# Altium PCB PCB_power_unit.PcbDoc (part 2 of 2)
Units mm, origin at the board's own origin, x right, y up, seen from the top; angles counter-clockwise.
Board outline 73 x 61.5 mm, 4 copper layers (Top Layer, INT1, INT2, Bottom Layer), stack 1.49 mm thick; 113 components, 47 nets, 333 pads, 153 vias.
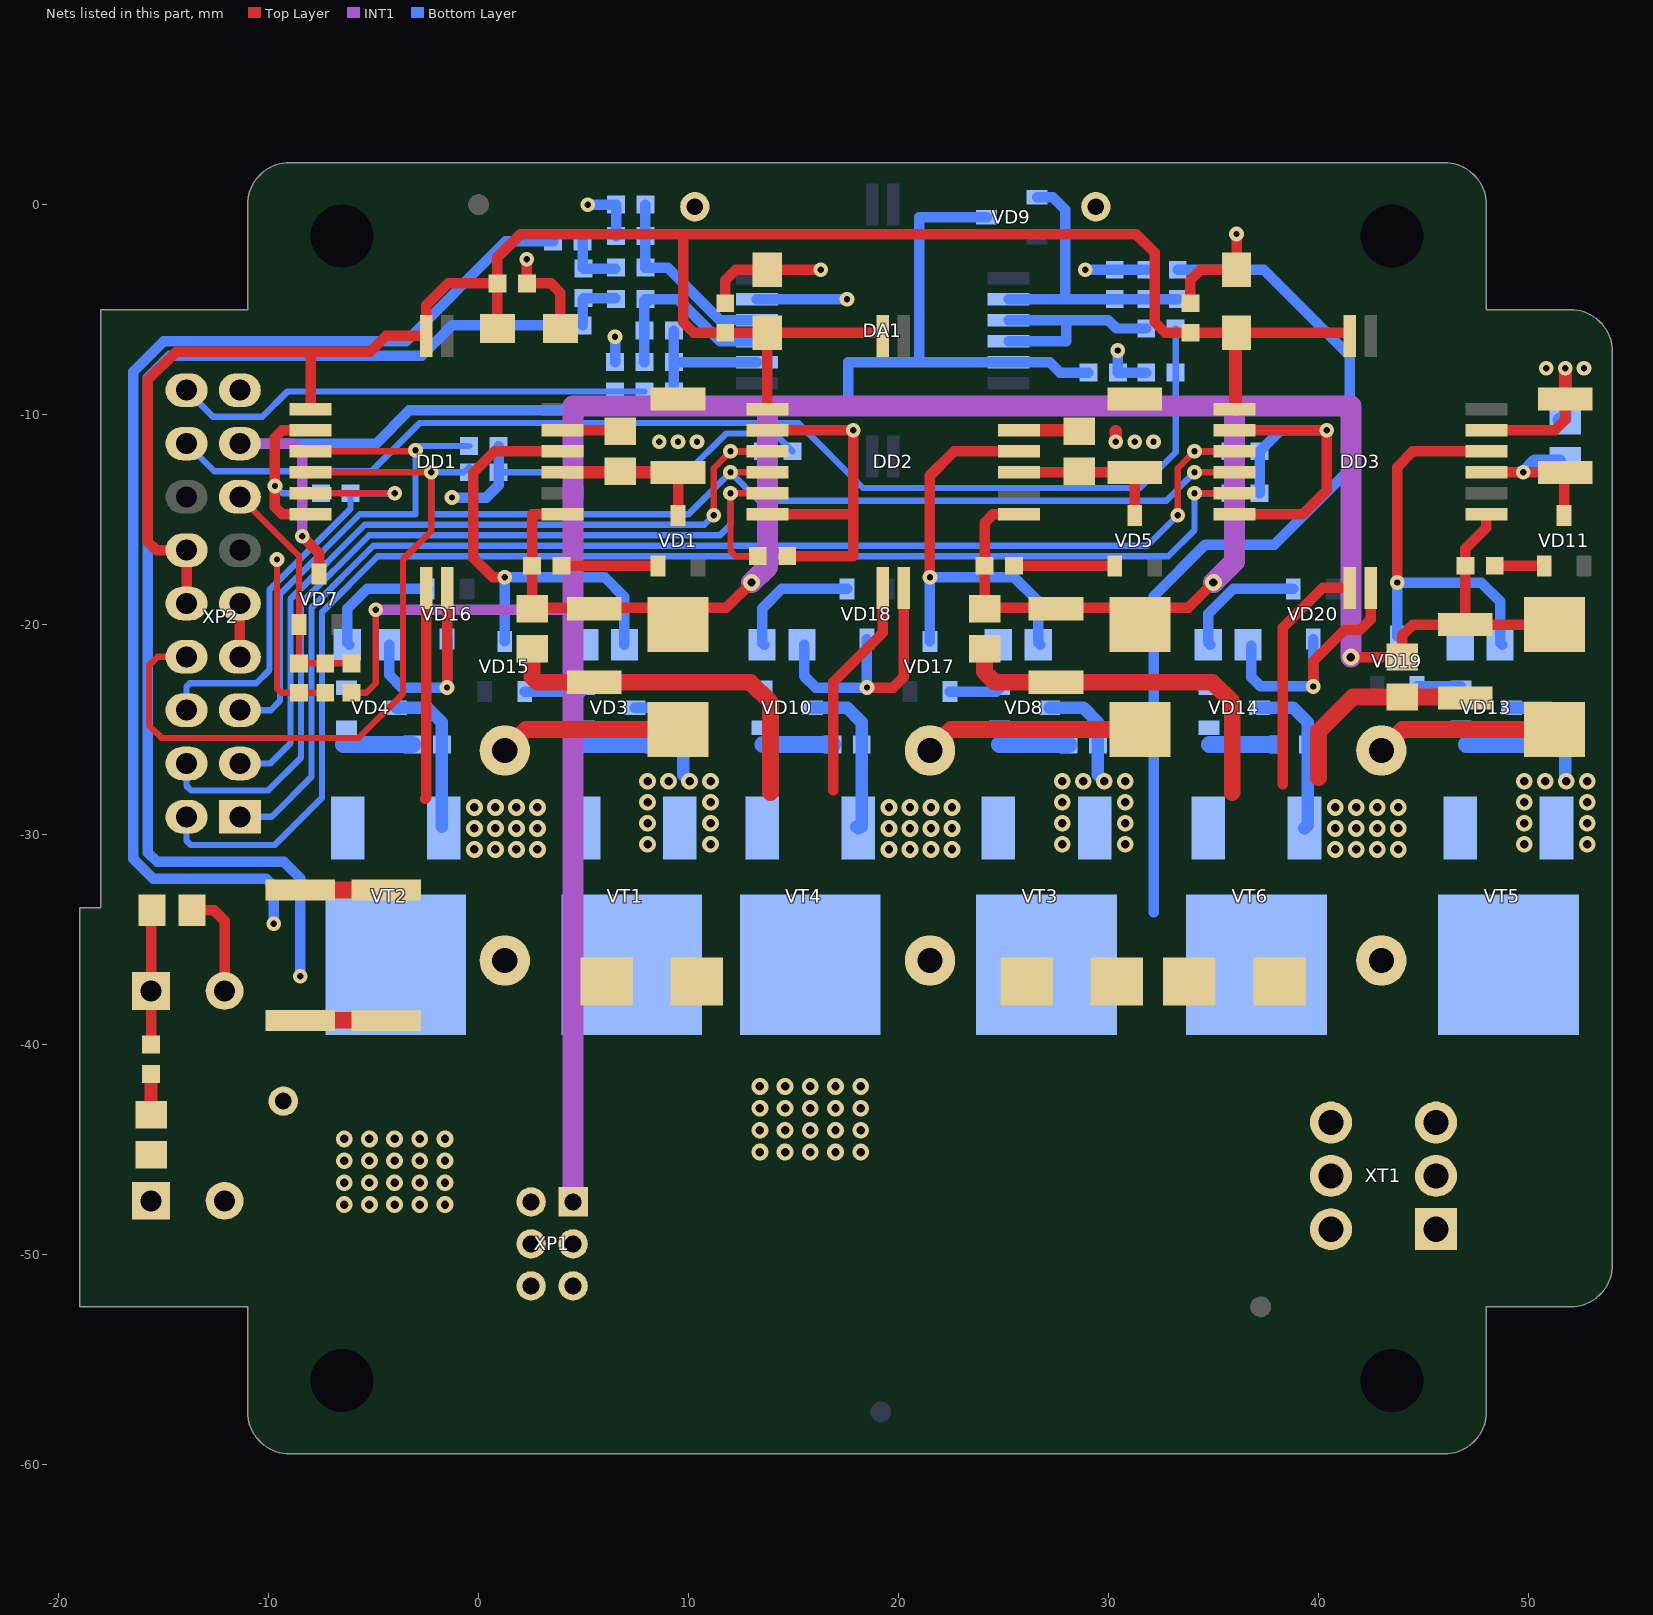
[diagram p4: the nets of this part, all layers, seen from the top]

## Part data
C1 C2 C3: library part Tantal_C, Manufacturer=Элеконд, Package="case C (6032)", PartNumber="К53-68 \"С\"-25 В-10 мкф ±10%", Temperature=-60...+125°C, Tolerance=±10%, TypeCapacitor="Tantalum capacitor", TypeDielectric=X7R, Voltage=25V, HelpURL=https://eandc.ru/pdf/kondensator/k53-68.pdf, Impedance=0.8-1Ohm, ValueManufacturerPartNumber="Tantalum capacitor, 10мк, 25V, ±10%, 0.8-1Ohm, case C (6032), -60...+125°C"
C4 C8 C15 C19 C32 C36: library part Ceramic_1210, Manufacturer=Monolit, Package=1210, PartNumber="К10-84в-3225М-25~В-Н20-1 мкФ-O-A ±10% ФЦТА.673516.016 ТУ", Temperature=-55...+125°C, Tolerance=±10%, TypeCapacitor="Ceramic capacitor", TypeDielectric="Н20 (X7R)", Voltage=25V, HelpURL=http://monolit.vitebsk.by/products/kondensatory/K1084NOVYE/, ValueManufacturerPartNumber="Ceramic capacitor, 1мк, Н20 (X7R), ±10%, 25V, 1210, -55...+125°C"
C6 C10 C17 C21 C34 C38: library part Ceramic_0805, Manufacturer=Монолит, Package="0805 (2012)", PartNumber="К10-84в-2012М-50В-0,1 мкФ +80/-20%-Н90-N-A", Temperature=-55...+125°C, Tolerance="+80 -20%", TypeCapacitor="Ceramic capacitor", TypeDielectric="Н90 (Y5V)", Voltage=50V, Analog="00131672 (pin-to-pin)", HelpURL=http://monolit.vitebsk.by/products/kondensatory/K1084NOVYE/, ValueManufacturerPartNumber="Ceramic capacitor, 0.1мк, Н90 (Y5V), +80 -20%, 50V, 0805 (2012), -55...+125°C"
C7 C18 C35: library part Film, Manufacturer=Гириконд, Package="12x10 mm", PartNumber="K73-17-63В-0,22мкФ±10%-В АЖЯР.673633.004 ТУ", Temperature=-60...+125°C, Tolerance=±10%, TypeCapacitor="Film capacitor", Voltage=63VDC, HelpURL=http://www.giricond.ru/files/k73-17_.pdf, ValueManufacturerPartNumber="Film capacitor, 0.22мк, 63VDC, ±10%, Impedance, 12x10 mm, -60...+125°C"
C11 C12: library part Aluminium, Manufacturer=Элеконд, Package="8x11.3x3.5 mm", PartNumber="K50-93-63В-100мкФ ±20% -И-В АЖЯР.673541.021 ТУ", Temperature=-60...+100°C, Tolerance=±20%, TypeCapacitor="Aluminium capacitor", Voltage=63V, HelpURL=https://elecond.ru/production/capacitors/aluminum/k50-93, Impedance=0.342Ohm@100kHz, MAX=00139211, ValueManufacturerPartNumber="Aluminium capacitor, 100мк, 63V, ±20%, 0.342Ohm@100kHz, 8x11.3x3.5 mm, -60...+100°C"
C13 C24 C39: library part Tantal_A, Manufacturer=Элеконд, Package="case A (3216)", PartNumber="К53-68 \"А\"-10 В-4.7 мкф", Temperature=-55...+125°C, Tolerance=±10%, TypeCapacitor="Tantalum capacitor", TypeDielectric=X7R, Voltage=10V, HelpURL=https://www.digikey.com/product-detail/en/avx-corporation/F930J107KAAAJ6/478-12404-1-ND/9645231, Impedance=2Ohm, MAX=00130629, ValueManufacturerPartNumber="Tantalum capacitor, 4.7мк, 10V, ±10%, 2Ohm, case A (3216), -55...+125°C"
C14 C23 C30 C40: library part Ceramic_0603, Manufacturer=Гириконд, Package=0603, PartNumber="К10-79-10В-0,1 мкФ +80-20% H90", Temperature=-55...+125°C, Tolerance=+80-20%, TypeCapacitor="Ceramic capacitor", TypeDielectric=H90, Voltage=10V, HelpURL=http://www.giricond.ru/files/k10-79_vp_2018_saiyt.pdf, ValueManufacturerPartNumber="Ceramic capacitor, 0.1мк, H90, +80-20%, 10V, 0603, -55...+125°C"
  C14 C40: MAX=00131675
C22 C25 C26 C28 C29: library part Ceramic_0603, Manufacturer=Монолит, Package=0603, PartNumber="К10-84в-1608М-50В-0.01мк ±20%-Н20-N-A", Temperature=-55...+125°C, Tolerance=±20%, TypeCapacitor="Ceramic capacitor", TypeDielectric=H20, Voltage=50V, HelpURL=http://www.monolit.vitebsk.by/Files/K10-84.pdf, ValueManufacturerPartNumber="Ceramic capacitor, 0.01мк, H20, ±20%, 50V, 0603, -55...+125°C"
  C22 C26 C28 C29: Analog="MAX 00131676 (pin-to-pin)"
  C25: Analog="MAX 00132726 (pin-to-pin)"
C27 C31: library part Ceramic_0603, Manufacturer=Монолит, Package=0603, PartNumber="К10-84в-1608М-50В-47 пФ ±10%-МП0-N-A", Temperature=-55...+125°C, Tolerance=±10%, TypeCapacitor="Ceramic capacitor", TypeDielectric=МП0, Voltage=50V, Analog="00124425 (pin-to-pin)", HelpURL=http://monolit.vitebsk.by/products/kondensatory/K1047Mabv/, ValueManufacturerPartNumber="Ceramic capacitor, 47, МП0, ±10%, 50V, 0603, -55...+125°C"
DA1: "Op. Amp rail-to-rail", Manufacturer="НПП \"Восток\"", Analog="КУД16У31436 (ОТК) НПП \"Восток\"", Analog-1="функц. аналог OP284FS", CodeMAX=00135502, HelpURL=http://www.vostok.nsk.su/files/pdf/544UD16U3.pdf, MAX=00135502, Part_Number=544УД16У3, Pattern/Footprint=16-Н04.16-1B, Published=2019, Publisher=Sokolov, TU="АЕЯР.431130.510 ТУ", Type="Операционный усилитель"
DD1 DD2 DD3: library part 1308ЕУ4БУ, "Gate driver", CurrentOutput=2A, Manufacturer="Кремний Эл", Package=Н04.16-2В, PartNumber=1308ЕУ4АУ, VoltageSupply="supply 4...15V", Analog="IR2113 IR", ComponentType="Hight&Low side gate driver", HelpURL=http://caxapa.ru/parts/files/1SHKtJ3.pdf, MAX=00131005, ValueManufacturerPartNumber="Hight&Low side gate driver, VoltageWork, Frequency, 2A, supply 4...15V, Temperature, Н04.16-2В"
R1 R10 R29: library part Resistor_0603, Manufacturer="ОАО Ресурс", Package=0603, PartNumber="Р1-12-0,1ум.-10~Ом ±2%-М ШКАБ.434110.002 ТУ", Power=0.1W, Temperature=-55...+125°C, Tolerance=±5%, TypeResistor="Resistor film", HelpURL=https://aoresurs.com/catalog/chip_rezistory/rezistory-r1-12-kategoriya-kachestva-vp-/, MAX=00133989, ValueManufacturerPartNumber="Resistor film, 10, ±5%, 0603, 0.1W, -55...+125°C"
R2 R3 R4 R6 R9 R11 R12 R14 R21 R32 R33 R35 R37: library part Resistor_0603, Manufacturer="ОАО Ресурс", Package=0603, PartNumber="Р1-12-0,1ум.-10~кОм ±5%-М ШКАБ.434110.002 ТУ", Power=0.1W, Temperature=-55...+125°C, Tolerance=±5%, TypeResistor="Resistor film", Analog="MAX 00133986 (1%)", HelpURL=https://aoresurs.com/catalog/chip_rezistory/rezistory-r1-12-kategoriya-kachestva-vp-/, MAX=00133985, ValueManufacturerPartNumber="Resistor film, 10k, ±5%, 0603, 0.1W, -55...+125°C"
R5 R8 R13 R20 R34 R36: library part Resistor_0805, Manufacturer="ОАО Ресурс", Package=0805, PartNumber="Р1-12-0,125-20 Ом ±1%-М ШКАБ.434110.002 ТУ", Power=0.125W, Temperature=-55...+125°C, Tolerance=±1%, TypeResistor="Resistor film", Analog="MAX 00133867 (22Ом)", HelpURL=https://aoresurs.com/catalog/chip_rezistory/rezistory-r1-12-kategoriya-kachestva-vp-/, MAX=00133863, ValueManufacturerPartNumber="Resistor film, 20, ±1%, 0805, 0.125W, -55...+125°C"
R7: library part Resistor_0603, Manufacturer="ОАО Ресурс", Package=0805, PartNumber="Р1-12-0,125-10~кОм ±1%-М ШКАБ.434110.002 ТУ", Power=0.125W, Temperature=-55...+125°C, Tolerance=±1%, TypeResistor="Resistor film", HelpURL=https://aoresurs.com/catalog/chip_rezistory/rezistory-r1-12-kategoriya-kachestva-vp-/, MAX=00133985, ValueManufacturerPartNumber="Resistor film, 10k, ±1%, 0805, 0.125W, -55...+125°C"
R15 R16: library part Resistor_0603, Manufacturer="ОАО Ресурс", Package=0603, PartNumber="Р1-12-0,1ум.-28~кОм ±5%-М ШКАБ.434110.002 ТУ", Power=0.1W, Temperature=-55...+125°C, Tolerance=±1%, TypeResistor="Resistor film", HelpURL=https://aoresurs.com/catalog/chip_rezistory/rezistory-r1-12-kategoriya-kachestva-vp-/, MAX=00134035, ValueManufacturerPartNumber="Resistor film, 28k, ±1%, 0603, 0.1W, -55...+125°C"
R17 R23 R25 R30: library part Resistor_0603, Manufacturer="ОАО Ресурс", Package=0603, PartNumber="Р1-12-0,1ум.-100~Ом ±5%-М ШКАБ.434110.002 ТУ", Power=0.1W, Temperature=-55...+125°C, Tolerance=±5%, TypeResistor="Resistor film", HelpURL=https://aoresurs.com/catalog/chip_rezistory/rezistory-r1-12-kategoriya-kachestva-vp-/, MAX=00133991, ValueManufacturerPartNumber="Resistor film, 100, ±5%, 0603, 0.1W, -55...+125°C"
R18: library part Resistor_0603, Manufacturer="ОАО Ресурс", Package=0603, PartNumber="Р1-12-0,1ум.-4.02~кОм±1%-М ШКАБ.434110.002 ТУ", Power=0.1W, Temperature=-55...+125°C, Tolerance=±1%, TypeResistor="Resistor film", HelpURL=https://aoresurs.com/catalog/chip_rezistory/rezistory-r1-12-kategoriya-kachestva-vp-/, MAX=00134054, ValueManufacturerPartNumber="Resistor film, 4.02k, ±1%, 0603, 0.1W, -55...+125°C"
R19 R24 R28: library part Resistor_0603, Manufacturer="ОАО Ресурс", Package=0603, PartNumber="Р1-12-0,1ум.-1~кОм ±1%-М ШКАБ.434110.002 ТУ", Power=0.1W, Temperature=-55...+125°C, Tolerance=±1%, TypeResistor="Resistor film", HelpURL=https://aoresurs.com/catalog/chip_rezistory/rezistory-r1-12-kategoriya-kachestva-vp-/, MAX=00133971, ValueManufacturerPartNumber="Resistor film, 1k, ±1%, 0603, 0.1W, -55...+125°C"
R22 R31: library part Resistor_0603, Manufacturer="ОАО Ресурс", Package=0603, PartNumber="Р1-12-0,1ум.-2.61~кОм±1%-М ШКАБ.434110.002 ТУ", Power=0.1W, Temperature=-55...+125°C, Tolerance=±1%, TypeResistor="Resistor film", HelpURL=https://aoresurs.com/catalog/chip_rezistory/rezistory-r1-12-kategoriya-kachestva-vp-/, MAX=00134019, ValueManufacturerPartNumber="Resistor film, 2.61k, ±1%, 0603, 0.1W, -55...+125°C"
R26 R27: library part Resistor_2512, Manufacturer=Эркон, Package=2512, PartNumber="Р2-105-0,75-0,1 Ом±1% А РМУ.434150.001 ТУ", Power=0.75W, Temperature=-55...+125°C, Tolerance=±1%, TypeResistor="Resistor film", HelpURL=https://www.erkon-nn.ru/catalog/15/r2-105/, MAX=00149850, ValueManufacturerPartNumber="Resistor film, 0.1, ±1%, 2512, 0.75W, -55...+125°C"
R38: library part Resistor_0603, Manufacturer="ОАО Ресурс", Package=0805, PartNumber="Р1-12-0,1-5.9~кОм ±5%-М ШКАБ.434110.002 ТУ", Power=0.1W, Temperature=-55...+125°C, Tolerance=±5%, TypeResistor="Resistor film", HelpURL=https://aoresurs.com/catalog/chip_rezistory/rezistory-r1-12-kategoriya-kachestva-vp-/, MAX=00134499, ValueManufacturerPartNumber="Resistor film, 5.9k, ±5%, 0805, 0.1W, -55...+125°C"
VD1 VD5 VD7 VD9 VD11 VD15 VD16 VD17 VD18 VD19 VD20: library part 2ДШ205А9_SOT-23, Current="500mA; max 5 A@1ms", Manufacturer="ВЗПП Воронеж", Package=SOT-23, PartNumber=2ДШ205А9, Temperature=-55...+150°C, Voltage=80V, VoltageDrop=0.8V, Analog=MBR0580, RecoveryTime=<22ns, TypeDiode="shottki diode", ValueManufacturerPartNumber="shottki diode, 80V, 500mA; max 5 A@1ms, 0.8V, <22ns, SOT-23, -55...+150°C"
VD2 VD6 VD12: library part TVS_single, Current=8A, Manufacturer=ВЗПП, Package=SMB, PartNumber=2РС202Е91, Temperature=-55...+150°C, Voltage=56V, VoltageDrop=0.9V, Analog="SMBJ48CA (pin-to-pin)", HelpURL=http://www.nzpp.ru/product/, TypeDiode="Zener diode", ValueManufacturerPartNumber="Zener diode, 56V, 8A, 0.9V, RecoveryTime, SMB, -55...+150°C"
VD3 VD4 VD8 VD10 VD13 VD14: library part TVS_array_var2, Current=1A, Manufacturer=КРИП, Package=SOT-23, PartNumber=2Р192В9, Temperature=-55...+150°C, Voltage=18V, Analog="КР192А9 (ОТК) (pin-to-pin)", Cap=21pF, NOTE="указано для pin1-pin3", TypeDiode="TVS diode", Uогр.=22.5V, ValueManufacturerPartNumber="TVS diode, 18V, 1A, VoltageDrop, RecoveryTime, SOT-23, -55...+150°C"
VD21: library part LED_single, Color=GREEN, Current="20mA max", Manufacturer=Протон, Package=1608, PartNumber=ИПД169А9-Л, Temperature=-55...+150°C, VoltageDrop="2.1V typ", Analog="MAX 00129484 КР-1608 Kingbright (pin-to-pin)", CommentText=27V, TypeDiode=LED, ValueManufacturerPartNumber="LED, 20mA max, 2.1V typ, 1608, -55...+150°C"
VT1 VT2 VT3 VT4 VT5 VT6: library part 2ПЕ208В92_N_DPAK, "Ангстрем (ВП)", CurrentDS=32A@+25°C, InputCapacitor=3200pF, Manufacturer=Ангстрем, MaxPower=2.5W, Package="DPAK (KT-89)", PartNumber=2ПЕ208В92, Temperature=-55...+150°C, VoltageDS=100V, Analog=AnD28N10, GateCharge=59nC, HelpURL=https://angstrem.ru/ru/and28n10, RDS=45mOhm, TypeTransistor="MOSFET N-channel transistor", ValueManufacturerPartNumber="MOSFET N-channel transistor, 100V, 32A@+25°C, 59nC, 2.5W, 45mOhm, 3200pF, DPAK (KT-89), -55...+150°C"
XP1: library part "M80-5000605 Harwin", "вилка на плату", CurrentMax=1.5A, Manufacturer=Электродеталь, PartNumber=СНП401-6ВП21-3-1-1, ValueManufacturerPartNumber="Вилка, 6pin, 2mm, 120VAC, 1.5A", VoltageMax=120VAC, Analog="MAX 00126397 (M80-5000605 pin-to-pin)", CommentText=СНП401, HelpURL=https://eu.mouser.com/ProductDetail/Harwin/M80-5000605?qs=yQtJ9TWM%2F1KaJIUUBEXorg%3D%3D, Multichannel=6pin, Pitch=2mm, TypeConnector=Вилка
XP2: library part PLD-18, CurrentMax=3A, Manufacturer=Электродеталь, PartNumber="СНП393-18ВП31-2-01-5 РЮМК.430420.035 ТУ", VoltageMax=500VAC, Analog="MAX 000724477 (PLD-80R с доработкой до 18pin)", CommentText=СНП393, Multichannel=18pin, Pitch=2.54mm, TypeConnector=Connector, ValueManufacturerPartNumber="Connector, 18pin, 2.54mm, 500VAC, 3A"
XP3 XP4 XP5: library part PLS2-1, "Test probe", Manufacturer=Электродеталь, PartNumber=СНП377-1ВП21-1, Tolerance=СНП377, Analog=PLS2-1, HelpURL=https://www.elektrodetal.com/catalog/snp377/, Published=2019, Publisher=TEN, Type="Control pin", Шаг=2mm
XT1: library part Connector_terminal_3pin, CurrentMax=6A, Manufacturer="Завод Атлант", PartNumber="СКПП-0.5-2.54У-3x2-2 СЦНК.434410.044 ТУ", VoltageMax=300VAC, Analog="233-403 Wago", CommentText=СКПП-0.5-2.54У, HelpURL=http://xn--80aaagkp6are6bd.xn--p1ai/main/soediniteli_klemmnye/klemmy_dlja_pechatnogo_montazha/skpp_05_254u_1(24)h2_2(3), Multichannel=3pin, Pitch=3.5mm, TypeConnector="Terminal connector", ValueManufacturerPartNumber="Terminal connector, 3pin, 3.5mm, 300VAC, 6A"

## Free pads (board coordinates)
  round 0 hole 3 slot 5 at 0 deg unplated mask+0.2: KREP(-6.5,-56) KREP(-6.5,-1.5) KREP(43.5,-56) KREP(43.5,-1.5)

## Via types
v1: diameter 0.8, hole 0.4, Top Layer to Bottom Layer, tented both sides, 109 vias
v2: diameter 0.7, hole 0.3, Top Layer to Bottom Layer, tented both sides, 44 vias

## Nets (pads, with @x,y where several pads share a name; then routed paths per layer and width w, separated by ;. In a path a pad name is that pad's centre, name@x,y a point inside that pad or via, vN(x,y) a via of type N, cw(c..) or ccw(c..) an arc to the next point about the centre after c; other vN are vias at no path point)
3V3A: C30.2 DA1.14 VD7.3 VD9.3 XP2.15 | length 63
  Top Layer w0.5: v2(-8.4,-15.8) -7.6,-16.6 VD7.3@-7.6,-17.6
  INT1 w0.5: XP2.15@-11.37,-11.38 -8.82,-11.38 -8.4,-11.8 v2(-8.4,-15.8)
  Bottom Layer w0.5: XP2.15@-11.37,-11.38 -4.88,-11.38 -3.3,-9.8 17.6,-9.8 17.6,-7.5 20.9,-7.5 ; VD9.3@24.2,-0.6 21,-0.6 21,-7.4 20.9,-7.5 ; C30.2@29.05,-8 27.7,-8 27.2,-7.5 DA1.14@25.25,-7.5 20.9,-7.5
5V: C13.1 C14.2 C23.2 C24.1 C39.1 C40.2 DD1.9 DD1.10 DD2.9 DD2.10 DD3.9 DD3.10 XP2.10 XP2.12 | length 104
  Top Layer w0.5: XP2.10@-13.91,-19 XP2.12@-13.91,-16.46 -15.34,-16.46 -15.75,-16.05 -15.75,-8.35 -14.4,-7 -5.15,-7 -4.4,-6.25 DD1.9@-2.5,-6.25 -2.5,-4.8 -1.45,-3.75 C14.2@0.9,-3.75 ; -8,-7 DD1.10@-8,-9.75 DD1.10@-7.95,-9.7 ; C13.1@0.9,-5.9 C14.2@0.9,-3.75 ; 9.75,-1.4 9.75,-5.6 10.25,-6.1 C23.2@11.75,-6.1 C24.1@13.75,-6.1 ; DD2.10@13.75,-9.75 C24.1@13.75,-6.1 ; DD2.9@19.25,-6.25 19.1,-6.1 C24.1@13.75,-6.1 ; 36.05,-7.4 36.1,-7.45 ; DD3.9@41.35,-6.1 C39.1@36.1,-6.1 C40.2@33.9,-6.1 32.7,-6.1 32.2,-5.6 32.2,-2.3 31.3,-1.4 2,-1.4 0.9,-2.5 C14.2@0.9,-3.75
  Top Layer w0.6: DD3.10@36.05,-9.75 36.05,-7.4 C39.1@36.05,-6.145
15DC: C25.1 R15.1 R18.2 VD7.1 XP2.13 | length 14.4
  Top Layer w0.3: XP2.13@-11.37,-13.92 -8.55,-16.74 VD7.1@-8.55,-20 ; -8.55,-17.24 C25.1@-8.55,-21.85 R15.1@-6.05,-21.85
+15V: C1.1 C2.1 C3.1 C8.2 C10.2 C19.2 C21.2 C36.2 C38.2 DD1.2 DD2.2 DD3.2 R1.1 R10.1 R15.2 R29.1 XP1.1 | length 169.6
  Top Layer w0.3: R15.2@-6.05,-23.25 -5.35,-23.25 -4.9,-22.8 v2(-4.9,-19.3)
  Top Layer w0.5: C10.2@2.55,-19.25 R1.1@2.55,-17.2 2.55,-14.75 DD1.2@4,-14.75 ; C10.2@2.6,-19.2 C1.1@9.505,-19.2 ; C1.1@9.5,-19.195 C1.1@9.505,-19.2 ; v1(13,-18) 11.8,-19.2 C1.1@9.505,-19.2 ; DD2.2@25.75,-14.75 24.5,-14.75 24.1,-15.15 R10.1@24.1,-17.2 24.1,-19.2 C2.1@31.5,-19.2 ; C2.1@31.505,-19.2 32.01,-19.2 33.8,-19.2 v1(35,-18) ; v1(41.55,-21.55) C38.2@44,-21.55 44,-20.5 44.5,-20 C36.2@47,-20 ; DD3.2@48,-14.75 48,-15.4 47,-16.4 C36.2@47,-20 ; C3.1@51.25,-20 C36.2@47,-20
  Top Layer w0.6: C2.1@32,-19.19 32.01,-19.2 C2.1@32.15,-19.34
  INT1 w0.5: v2(-4.9,-19.3) 4.5,-19.3
  INT1 w1: XP1.1@4.5,-47.5 4.5,-19.3 4.5,-9.6 13.75,-9.6 ; v1(13,-18) 13.75,-17.25 13.75,-9.6 ; v1(35,-18) 36,-17 36,-9.6 ; v1(41.55,-21.55) 41.55,-9.6 13.75,-9.6
+27V: C7.1 C11.1 C12.1 C18.1 C35.1 R7.2 R16.2 VD2.2 VD6.2 VD12.2 VD21.1 VT1.3 VT3.3 VT5.3 XP1.3 XP1.4 | length 48.6
  Top Layer w0.5: VD21.1@-15.6,-40 C11.1@-15.6,-37.448 R7.2@-15.6,-33.65
  Bottom Layer w0.5: 32.15,-33.7 32.15,-18.65 34.6,-16.2 37.9,-16.2 41.5,-12.6 41.5,-7.2 37.4,-3.1 R16.2@33.3,-3.1
AGND: C22.2 C25.2 C26.2 C29.2 C30.1 C31.2 DA1.6 R18.1 R19.1 R31.1 XP2.17 XP4.1 | length 22.2
  Top Layer w0.3: v2(-9.6,-16.9) -9.6,-23.05 -9.4,-23.25 C25.2@-8.55,-23.25 R18.1@-7.3,-23.25
  Bottom Layer w0.5: v2(5.2,0) C31.2@6.55,0 R31.1@6.55,-1.5 ; C29.2@6.5,-7.5 v2(6.5,-6.3) ; DA1.6@13.25,-4.5 v2(17.55,-4.5) ; v2(28.9,-3.1) C26.2@30.3,-3.1 R19.1@31.8,-3.1 ; v2(30.45,-6.95) C30.1@30.45,-8 C22.2@31.8,-8
GND: C13.2 C14.1 C23.1 C24.2 C39.2 C40.1 DD1.11 DD1.15 DD2.11 DD2.15 DD3.11 DD3.15 R2.2 R3.2 R4.2 R11.2 R12.2 R32.2 R33.2 XP2.7 XP2.9 XP3.1 | length 81.9
  Top Layer w0.5: XP2.7@-11.37,-21.54 XP2.9@-11.37,-19 ; DD1.15@-8,-14.75 -9.35,-14.75 -9.7,-14.4 v2(-9.7,-13.4) -9.7,-11.1 -9.35,-10.75 DD1.11@-8,-10.75 ; v2(2.3,-2.6) C14.1@2.3,-3.75 3.45,-3.75 3.9,-4.2 C13.2@3.9,-5.9 ; C23.1@11.75,-4.7 11.75,-3.6 12.25,-3.1 C24.2@13.75,-3.1 v2(16.3,-3.1) ; DD2.15@13.75,-14.75 17.85,-14.75 ; DD2.11@13.75,-10.75 v2(17.85,-10.75) 17.85,-14.75 ; R12.2@14.71,-16.75 17.85,-16.75 17.85,-14.75 ; C40.1@33.9,-4.7 33.9,-3.6 34.4,-3.1 C39.2@36.1,-3.1 ; DD3.15@36,-14.75 39.25,-14.75 40.4,-13.6 v2(40.4,-10.75) DD3.11@36,-10.75 ; C39.2@36.1,-2.9 v2(36.1,-1.4)
  Bottom Layer w0.3: v2(-9.7,-13.4) -9.35,-13.75 R3.2@-7.5,-13.75 ; R4.2@0.95,-12.75 9.94,-12.75 11.79,-10.9 14.1,-10.9 R11.2@14.95,-11.75
  Bottom Layer w0.5: v2(-1.27,-13.95) 0.37,-13.95 0.95,-13.37 R4.2@0.95,-12.75 R2.2@0.95,-11.5 ; R33.2@37.2,-13.75 R32.2@37.2,-11.75 38.2,-10.75 v2(40.4,-10.75)
HI1: DD1.12 R2.1 XP2.5 | length 25.9
  Top Layer w0.3: DD1.12@-8,-11.75 -3.055,-11.75 v2(-3,-11.695)
  Bottom Layer w0.3: XP2.5@-11.37,-24.08 -9.9,-24.08 -9.456,-23.636 -9.456,-18.556 -5.65,-14.75 -3,-14.75 -3,-12.795 -3.005,-12.79 -3.005,-11.7 v2(-3,-11.695) -2.805,-11.5 R2.1@-0.45,-11.5
HI2: DD2.12 R11.1 XP2.3 | length 38.2
  Top Layer w0.3: v2(11.2,-14.8) 11.2,-12.55 v2(12,-11.75) DD2.12@13.75,-11.75
  Bottom Layer w0.3: XP2.3@-11.37,-26.62 -9.92,-26.62 -8.956,-25.656 -8.956,-18.785 -5.421,-15.25 -3.329,-15.25 10.75,-15.25 v2(11.2,-14.8) ; v2(12,-11.75) R11.1@13.55,-11.75
HI3: DD3.12 R32.1 XP2.1 | length 62.3
  Top Layer w0.3: v2(33.3,-14.8) 33.3,-12.55 v2(34.1,-11.75) DD3.12@36,-11.75
  Bottom Layer w0.3: XP2.1@-11.37,-29.16 -9.86,-29.16 -7.956,-27.256 -7.956,-19.199 -5.007,-16.25 31.85,-16.25 v2(33.3,-14.8) ; v2(34.1,-11.75) R32.1@35.8,-11.75
IDC: C29.1 R25.2 XP2.18 | length 22.8
  Bottom Layer w0.3: XP2.18@-13.91,-8.84 -12.65,-10.1 -10.3,-10.1 -9.1,-8.9 C29.1@6.5,-8.9 R25.2@7.9,-8.9
LO1: DD1.14 R3.1 XP2.6 | length 21.5
  Top Layer w0.3: DD1.14@-8,-13.75 v2(-3.994,-13.75)
  Bottom Layer w0.3: XP2.6@-13.91,-24.08 -13.91,-22.96 -13.75,-22.8 -10.591,-22.8 -9.956,-22.165 -9.956,-18.349 -6.1,-14.493 R3.1@-6.1,-13.75 v2(-3.994,-13.75)
LO2: DD2.14 R12.1 XP2.4 | length 44.1
  Top Layer w0.3: R12.1@13.3,-16.74 12.25,-16.74 12,-16.49 v2(12,-13.75) DD2.14@13.75,-13.75
  Bottom Layer w0.3: XP2.4@-13.85,-26.68 XP2.4@-13.91,-26.62 -13.91,-27.69 -13.7,-27.9 -10.02,-27.9 -8.456,-26.336 -8.456,-18.992 -5.214,-15.75 11.5,-15.75 12,-15.25 v2(12,-13.75)
LO3: DD3.14 R33.1 XP2.2 | length 66
  Top Layer w0.3: v2(34.1,-13.75) DD3.14@36,-13.75
  Bottom Layer w0.3: XP2.2@-13.91,-29.16 -13.91,-30.302 -13.712,-30.5 -9.7,-30.5 -7.456,-28.256 -7.456,-19.406 -4.8,-16.75 32.85,-16.75 34.1,-15.5 v2(34.1,-13.75) R33.1@35.8,-13.75
NetC4_2: C4.2 C6.2 DD1.4 VD1.3 | length 7.8
  Top Layer w0.5: VD1.3@9.5,-14.8 C4.2@9.5,-12.5
  Top Layer w0.6: DD1.4@4,-12.75 C4.2@9.25,-12.75 ; C4.2@9.25,-12.5 C4.2@9.5,-12.5
NetC15_2: C15.2 C17.2 DD2.4 VD5.3 | length 7.6
  Top Layer w0.5: DD2.4@25.75,-12.75 C15.2@31.25,-12.75 VD5.3@31.25,-14.8
NetC26_1: C26.1 DA1.11 R16.1 R19.2 VD9.1 | length 13.9
  Bottom Layer w0.5: DA1.11@25.25,-4.5 28,-4.5 ; VD9.1@26.6,0.35 27.35,0.35 27.95,-0.25 27.95,-4.45 28,-4.5 ; R16.1@33.3,-4.5 R19.2@31.8,-4.5 28,-4.5
NetC27_1: C27.1 DA1.3 R22.2 R25.1 | length 6.7
  Bottom Layer w0.5: R25.1@9.3,-8.9 R22.2@9.3,-6 ; C27.1@9.45,-7.5 DA1.3@13.25,-7.5
NetC27_2: C27.2 DA1.4 R22.1 R24.2 | length 9.2
  Bottom Layer w0.5: C27.2@7.9,-7.5 R24.2@7.9,-4.55 ; R24.2@8.05,-4.6 R24.2@7.95,-4.5 9.5,-4.5 11.5,-6.5 DA1.4@13.25,-6.5
NetC28_1: C28.1 R23.2 R24.1 | length 2.8
  Bottom Layer w0.5: R23.2@4.95,-5.75 C28.1@4.95,-4.5 ; C28.1@5,-4.45 R24.1@6.5,-4.45
NetC28_2: C28.2 R28.1 R30.2 | length 2.8
  Bottom Layer w0.5: R30.2@4.95,-1.75 4.95,-3 C28.2@5,-3.05 R28.1@6.5,-3.05
NetC31_1: C31.1 DA1.5 R28.2 R31.2 | length 9.3
  Bottom Layer w0.5: C31.1@7.95,0 R28.2@7.95,-3 9,-3 11.5,-5.5 DA1.5@13.25,-5.5
NetC32_2: C32.2 C34.2 DD3.4 VD11.3 | length 7.7
  Top Layer w0.5: DD3.4@48,-12.75 51.7,-12.75 VD11.3@51.7,-14.8
  Bottom Layer w0.6: v2(49.75,-12.75) 50.3,-12.2 C34.2@51.5,-12.2
NetDA1_12: DA1.12 DA1.13 R17.1 | length 10.5
  Bottom Layer w0.5: DA1.13@25.25,-6.5 28,-6.5 28,-5.5 ; DA1.12@25.25,-5.5 30,-5.5 30.4,-5.9 R17.1@31.8,-5.9
NetDD1_1: DD1.1 R8.1 VD16.3 | length 11.5
  Top Layer w0.5: v2(-1.5,-23) DD1.1@-1.5,-18.25
  Bottom Layer w0.5: R8.1@-4.25,-20.962 -4.25,-22.4 -3.65,-23 v2(-1.5,-23) VD16.3@-1.5,-20.7
NetDD1_5: DD1.5 R5.1 VD15.3 | length 22
  Top Layer w0.5: v2(1.25,-17.75) 0.686,-17.75 -0.25,-16.814 -0.25,-12.775 0.775,-11.75 2.8,-11.75 DD1.5@4,-11.75
  Bottom Layer w0.5: VD15.3@1.25,-20.8 v2(1.25,-17.75) 6,-17.75 6.95,-18.7 R5.1@6.95,-20.962
NetDD2_1: DD2.1 R20.1 VD18.3 | length 13.2
  Top Layer w0.5: v2(18.5,-23) 19.75,-23 20.25,-22.5 DD2.1@20.25,-18.25
  Bottom Layer w0.5: R20.1@15.5,-20.962 15.5,-22.45 16.05,-23 v2(18.5,-23) VD18.3@18.5,-20.7
NetDD2_5: DD2.5 R13.1 VD17.3 | length 20.4
  Top Layer w0.5: v2(21.5,-17.75) 21.5,-12.903 22.653,-11.75 DD2.5@25.75,-11.75
  Bottom Layer w0.5: VD17.3@21.5,-20.8 v2(21.5,-17.75) 25.5,-17.75 26.65,-18.9 26.65,-20.862 R13.1@26.75,-20.962
NetDD3_1: DD3.1 R36.1 VD20.3 | length 13.2
  Top Layer w0.5: v2(39.75,-22.95) 39.75,-21.75 41.25,-20.25 42,-20.25 42.5,-19.75 DD3.1@42.5,-18.25
  Bottom Layer w0.5: R36.1@36.8,-21.012 36.8,-22.5 37.25,-22.95 v2(39.75,-22.95) VD20.3@39.75,-20.7
NetDD3_5: DD3.5 R34.1 VD19.3 | length 20
  Top Layer w0.5: v2(43.75,-18) 43.75,-12.5 44.5,-11.75 DD3.5@48,-11.75
  Bottom Layer w0.5: VD19.3@43.75,-20.55 v2(43.75,-18) 47.75,-18 48.65,-18.9 48.65,-20.862 R34.1@48.75,-20.962
NetR1_2: R1.2 VD1.1 | length 4.6
  Top Layer w0.5: R1.2@3.95,-17.2 VD1.1@8.55,-17.2
NetR5_2: R5.2 R6.2 VD3.1 VD3.2 VD15.1 VT1.1 | length 6
  Bottom Layer w0.5: VD15.1@2.2,-23.2 VD3.2@4.912,-23.2
  Bottom Layer w0.8: 5.05,-25.712 R6.2@8.35,-25.712
NetR8_2: R8.2 R9.2 VD4.1 VD4.2 VD16.1 VT2.1 | length 9.2
  Bottom Layer w0.5: R8.2@-6.15,-20.962 -6.25,-20.862 -6.25,-19.25 -5.3,-18.3 VD16.1@-2.45,-18.3
  Bottom Layer w0.8: -6.45,-25.712 R9.2@-3.15,-25.712
NetR10_2: R10.2 VD5.1 | length 4.8
  Top Layer w0.5: R10.2@25.5,-17.2 VD5.1@30.3,-17.2
NetR13_2: R13.2 R14.2 VD8.1 VD8.2 VD17.1 VT3.1 | length 5.8
  Bottom Layer w0.5: VD17.1@22.45,-23.2 24.662,-23.2 VD8.2@24.85,-23.012
  Bottom Layer w0.8: 24.8,-25.712 R14.2@28.1,-25.712
NetR20_2: R20.2 R21.2 VD10.1 VD10.2 VD18.1 VT4.1 | length 9.5
  Bottom Layer w0.5: R20.2@13.6,-20.962 13.5,-20.862 13.5,-19.25 14.45,-18.3 VD18.1@17.55,-18.3
  Bottom Layer w0.8: 13.55,-25.712 R21.2@16.85,-25.712
NetR29_2: R29.2 VD11.1 | length 2.3
  Top Layer w0.5: R29.2@48.4,-17.2 VD11.1@50.75,-17.2
NetR34_2: R34.2 R35.2 VD13.1 VD13.2 VD19.1 VT5.1 | length 5.4
  Bottom Layer w0.5: VD19.1@44.7,-22.95 VD13.2@46.788,-22.95
  Bottom Layer w0.8: 47.05,-25.712 R35.2@50.35,-25.712
NetR36_2: R36.2 R37.2 VD14.1 VD14.2 VD20.1 VT6.1 | length 9.3
  Bottom Layer w0.5: R36.2@34.85,-20.962 34.76,-20.872 34.76,-19.49 35.95,-18.3 VD20.1@38.8,-18.3
  Bottom Layer w0.8: 34.8,-25.712 R37.2@38.1,-25.712
NetR38_2: R38.2 VD21.2 | length 2
  Top Layer w0.6: R38.2@-15.6,-43.4 VD21.2@-15.6,-41.4
PGND: C1.2 C2.2 C3.2 C7.2 C11.2 C12.2 C18.2 C35.2 R7.1 R23.1 R26.2 R27.2 R38.1 VD2.1 VD6.1 VD12.1 XP1.2 XP1.5 XP1.6 XP5.1 | length 92.3
  Top Layer w0.5: R7.1@-13.65,-33.6 -12.6,-33.6 -12.1,-34.1 C11.2@-12.1,-37.448
  Top Layer w0.8: R27.2@-8.5,-38.85 R26.2@-4.394,-38.85 ; C7.2@1.25,-26 2.25,-25 C1.2@9.505,-25 ; C18.2@21.5,-26 22.5,-25 C2.2@31.505,-25 ; C35.2@43,-26 44,-25 C3.2@51.25,-25
  Bottom Layer w0.5: v2(-8.5,-36.75) -8.5,-32.082 -9.282,-31.3 -15.31,-31.3 -15.75,-30.86 -15.75,-8.25 -14.7,-7.2 -2.7,-7.2 -1.25,-5.75 R23.1@3.55,-5.75
PGND_: C8.1 C10.1 C19.1 C21.1 C36.1 C38.1 DD1.16 DD2.16 DD3.16 R9.1 R21.1 R26.1 R27.1 R30.1 R37.1 VD4.3 VD10.3 VD14.3 VT2.2 VT4.2 VT6.2 | length 158.8
  Top Layer w0.5: -2.539,-28.3 -2.5,-28.261 DD1.16@-2.5,-18.25 ; 16.9,-27.9 16.9,-22.75 19.25,-20.4 DD2.16@19.25,-18.25 ; 38.3,-27.6 38.3,-20.15 40.2,-18.25 DD3.16@41.5,-18.25
  Top Layer w0.8: R27.1@-8.5,-32.65 R26.1@-4.394,-32.65 ; C10.1@2.55,-21.15 2.55,-22.5 2.8,-22.75 C8.1@5.5,-22.75 12.95,-22.75 13.9,-23.7 13.9,-28 ; C21.1@24.1,-21.15 24.1,-22.25 24.6,-22.75 C19.1@27.5,-22.75 34.95,-22.75 35.9,-23.7 35.9,-28 ; 40,-27.3 40,-25.1 41.65,-23.45 C38.1@44,-23.45 C36.1@46.95,-23.45
  Bottom Layer w0.5: v2(-9.75,-34.25) -9.75,-32.456 -10.106,-32.1 -15.5,-32.1 -16.45,-31.15 -16.45,-7.96 -14.99,-6.5 -3.45,-6.5 1.3,-1.75 R30.1@3.55,-1.75
  Bottom Layer w0.6: VD4.3@-3.9,-23.962 -2.45,-23.962 -1.75,-24.662 R9.1@-1.75,-25.712 VT2.2@-1.75,-29.622 ; VD10.3@15.9,-23.962 17.55,-23.962 18.25,-24.662 R21.1@18.25,-25.712 ; VT4.2@18,-29.622 VT4.2@18.09,-29.712 ; VT4.2@18.25,-29.622 R21.1@18.25,-25.912 ; VD14.3@37.2,-23.962 38.8,-23.962 39.5,-24.662 R37.1@39.5,-25.712 39.5,-29.552 VT6.2@39.34,-29.712
  other v1: -0.2,-30.712 0.8,-30.712 1.8,-30.712 2.8,-30.712 19.55,-30.712 20.55,-30.712 21.55,-30.712 22.55,-30.712 40.8,-30.712 41.8,-30.712 42.8,-30.712 43.8,-30.712 -0.2,-29.712 0.8,-29.712 1.8,-29.712 2.8,-29.712 19.55,-29.712 20.55,-29.712 21.55,-29.712 22.55,-29.712 40.8,-29.712 41.8,-29.712 42.8,-29.712 43.8,-29.712 -0.2,-28.712 0.8,-28.712 1.8,-28.712 2.8,-28.712 19.55,-28.712 20.55,-28.712 21.55,-28.712 22.55,-28.712 40.8,-28.712 41.8,-28.712 42.8,-28.712 43.8,-28.712
SD: DD1.13 DD2.13 DD3.13 R4.1 XP2.8 | length 80.7
  Top Layer w0.3: XP2.8@-13.91,-21.54 -15.29,-21.54 -15.7,-21.95 -15.7,-24.8 -15.1,-25.4 -5.7,-25.4 -3.6,-23.3 -3.6,-16.9 -2.25,-15.55 v2(-2.25,-12.75) DD1.13@-8,-12.75 ; v2(12,-12.75) DD2.13@13.75,-12.75 ; v2(34.1,-12.75) DD3.13@36,-12.75
  Bottom Layer w0.3: R4.1@-0.45,-12.5 -0.7,-12.75 v2(-2.25,-12.75) -2.25,-14.75 10,-14.75 v2(12,-12.75) 13.35,-14.1 32.75,-14.1 v2(34.1,-12.75)
U: C4.1 C6.1 DD1.6 R6.1 VD3.3 VT1.2 VT2.3 XT1.1 | length 8.4
  Top Layer w0.5: DD1.6@4,-10.75 6.7,-10.75 C6.1@6.75,-10.8
  Bottom Layer w0.5: VD3.3@7.45,-23.962 9.212,-23.962 9.75,-24.5 R6.1@9.75,-25.712
  Bottom Layer w0.6: R6.1@9.75,-25.712 9.75,-27.162 v1(10.05,-27.462)
  other v1: -6.4,-47.625 -5.2,-47.625 -4,-47.625 -2.8,-47.625 -1.6,-47.625 -6.4,-46.584 -5.2,-46.584 -4,-46.584 -2.8,-46.584 -1.6,-46.584 -6.4,-45.542 -5.2,-45.542 -4,-45.542 -2.8,-45.542 -1.6,-45.542 -6.4,-44.5 -5.2,-44.5 -4,-44.5 -2.8,-44.5 -1.6,-44.5 8.05,-30.462 11.05,-30.462 8.05,-29.462 11.05,-29.462 8.05,-28.462 11.05,-28.462 8.05,-27.462 9.05,-27.462 11.05,-27.462
  other v2: 8.6,-11.3 9.5,-11.3 10.4,-11.3
UDC: C22.1 R17.2 XP2.16 | length 56.5
  Bottom Layer w0.3: XP2.16@-13.91,-11.38 -12.59,-12.7 -5.1,-12.7 -2.8,-10.4 15.22,-10.4 18.32,-13.5 31.5,-13.5 33.2,-11.8 C22.1@33.2,-8 R17.2@33.2,-5.9
V: C15.1 C17.1 DD2.6 R14.1 VD8.3 VT3.2 VT4.3 XT1.2 | length 9
  Top Layer w0.6: DD2.6@25.75,-10.75 28.566,-10.75 C17.1@28.616,-10.8 C17.1@28.75,-10.8 ; v2(30.35,-11.3) 30.35,-10.8
  Bottom Layer w0.6: VD8.3@27.2,-23.962 28.8,-23.962 29.5,-24.662 R14.1@29.5,-25.712 29.5,-27.162 v1(29.8,-27.462)
  other v1: 13.4,-45.125 14.6,-45.125 15.8,-45.125 17,-45.125 18.2,-45.125 13.4,-44.084 14.6,-44.084 15.8,-44.084 17,-44.084 18.2,-44.084 13.4,-43.042 14.6,-43.042 15.8,-43.042 17,-43.042 18.2,-43.042 13.4,-42 14.6,-42 15.8,-42 17,-42 18.2,-42 27.8,-30.462 30.8,-30.462 27.8,-29.462 30.8,-29.462 27.8,-28.462 30.8,-28.462 27.8,-27.462 28.8,-27.462 30.8,-27.462
  other v2: 31.25,-11.3 32.15,-11.3
W: C32.1 C34.1 DD3.6 R35.1 VD13.3 VT5.2 VT6.3 XT1.3 | length 14.7
  Top Layer w0.5: DD3.6@48,-10.75 51.25,-10.75 51.75,-10.25 C32.1@51.75,-9.25 C32.1@51.75,-8.9
  Top Layer w0.6: C32.1@51.75,-8.9 v2(51.75,-7.8)
  Bottom Layer w0.6: VD13.3@49.2,-23.962 51.05,-23.962 51.75,-24.662 R35.1@51.75,-25.712 51.75,-27.412 v1(51.8,-27.462) ; C34.1@51.5,-10.3 51.45,-10.25 C34.1@51.5,-10.2 ; C34.1@51.75,-10.2 v2@51.75,-7.75
  other v1: 49.8,-30.462 52.8,-30.462 49.8,-29.462 52.8,-29.462 49.8,-28.462 52.8,-28.462 49.8,-27.462 50.8,-27.462 52.8,-27.462
  other v2: 50.85,-7.8 52.65,-7.8
pads on no net: DA1.1 DA1.2 DA1.7 DA1.8 DA1.9 DA1.10 DA1.15 DA1.16 DD1.3 DD1.7 DD1.8 DD2.3 DD2.7 DD2.8 DD3.3 DD3.7 DD3.8 REP1.R REP2.R REP3.R REP4.R VD1.2 VD5.2 VD7.2 VD9.2 VD11.2 VD15.2 VD16.2 VD17.2 VD18.2 VD19.2 VD20.2 VT1. VT2. VT3. VT4. VT5. VT6. XP2. XP2.11 XP2.14

## Polygon pours and split planes (outlines as drawn)
U on Top Layer "U_L01_P028" (solid, remove dead copper, pour order 28): 11.798,-41.4 11.798,-47.8 30.3,-47.8 48.2,-47.8 48.2,-49.8 35.7,-49.8 35.7,-59.5 -7.2,-59.5 -7.2,-49.8 -7.2,-43.8 -1,-43.8 -1,-41.4
W on Top Layer "W_L01_P054" (solid, remove dead copper, pour order 54): 49.3,-27 53.3,-27 53.3,-44.8 38.6,-44.8 38.6,-42.6 49.3,-42.6
V on Top Layer "V_L01_P026" (solid, remove dead copper, pour order 26): 38.1,-41.4 38.1,-45.253 43.297,-45.253 48.2,-45.253 48.2,-47.3 30.9,-47.3 12.3,-47.3 12.3,-41.4
PGND_ on Top Layer "PGND__L01_P010" (solid, pour order 10): -9,-30.774 -11.2,-30.774 -11.2,-34.8 48.8,-34.8 48.8,-27 -4.3,-27 -9,-27
PGND on Top Layer "PGND_L01_P065" (solid, remove dead copper, pour order 65): -19,-35.8 -19,-52.5 -7.7,-52.5 -7.7,-43.3 -1.52,-43.3 -1.52,-35.8 -10.8,-35.8
AGND on INT1 "AGND_L02_P071" (solid, remove dead copper, pour order 71): -11.37,2 48,2 48,-7.5 2.25,-7.5 2.25,-17.7 -11.37,-17.7
V on INT1 "V_L02_P059" (solid, remove dead copper, pour order 59): 33.2,-10.7 33.2,-12 31.6,-12 31.6,-26.9 31.6,-39.9 35.1,-39.9 35.1,-45.2 48.2,-45.2 48.2,-47.3 12.3,-47.3 12.3,-39.9 27,-39.9 27,-26.9 27,-10.7
W on INT1 "W_L02_P057" (solid, remove dead copper, pour order 57): 49.3,-26.94 49.25,-26.89 49.25,-7.25 53.3,-7.25 53.3,-26.94 53.3,-44.725 35.7,-44.725 35.7,-42.7 49.3,-42.7
U on INT1 "U_L02_P060" (solid, remove dead copper, pour order 60): 7.3,-26.9 7.3,-10.7 11.8,-10.7 11.8,-27 11.8,-47.8 48.2,-47.8 48.2,-49.9 35.7,-49.9 35.7,-59.5 -7.2,-59.5 -7.2,-49.8 -7.2,-40 4.3,-40 7.3,-40
GND on INT2 "GND_L03_P069" (solid, remove dead copper, pour order 69): -11.5,-22.8 54.1,-22.8 54.1,2.1 -11.4,2.1
PGND_ on INT2 "PGND__L03_P067" (solid, remove dead copper, pour order 67): -1.1,-28.1 48.8,-28.1 48.8,-34.8 -1.1,-34.8
PGND on INT2 "PGND_L03_P063" (solid, remove dead copper, pour order 63): -1.6,-35.4 -1.6,-27.6 48.8,-27.6 48.8,-23.7 -9.6,-23.7 -9.6,-35.4 -19,-35.4 -19,-59.9 54,-59.9 54,-35.4
+27V on Bottom Layer "+27V_L04_P061" (solid, remove dead copper, pour order 61): -19,-32.8 54.3,-32.8 54.3,-60 54.4,-60.1 -19,-60.1

## Keep-outs
Top Layer:
  lines w0.1: -8,-59 cw(c-8,-56) -8,-53 -5,-53 cw(c-5,-56) -5,-59 -8,-59 ; -8,-4.5 cw(c-8,-1.5) -8,1.5 -5,1.5 cw(c-5,-1.5) -5,-4.5 -8,-4.5 ; 42,-59 cw(c42,-56) 42,-53 45,-53 cw(c45,-56) 45,-59 42,-59 ; 42,-4.5 cw(c42,-1.5) 42,1.5 45,1.5 cw(c45,-1.5) 45,-4.5 42,-4.5
Bottom Layer:
  lines w0.05: -11,-53.7 -3.65,-53.7 -3.65,-59.5 ; -11,-3.8 -3.65,-3.8 -3.65,2 ; 40.65,-59.5 40.65,-53.7 48,-53.7 ; 40.65,2 40.65,-3.8 48,-3.8
Keep-Out Layer:
  lines w0.2: -8.9,-59.5 46,-59.5 ; -9,2 ccw(c-9,0) -11,0 -11,-5 -18,-5 -18,-33.5 -19,-33.5 -19,-52.5 -11,-52.5 -11,-57.5 ccw(c-9,-57.5) -9,-59.5 -9,-64.5 46,-64.5 46,-59.5 ; -9,2 46,2 ; -9,2 -9,7 46,7 46,2 ; 46,-59.5 ccw(c46,-57.5) 48,-57.5 48,-52.5 52,-52.5 ccw(c52,-50.5) 54,-50.5 54,-7 ccw(c52,-7) 52,-5 48,-5 48,0 ccw(c46,0) 46,2

## Other copper
Top Layer:
  region net W: 53.05,-7.2 50.45,-7.2 50.45,-9.8 53.05,-9.8
  rectangle net V: 29.95,-11.7 32.55,-8.7
  rectangle net U: 6.4,-11.1 8.2,-10.5
  rectangle net V: 28.616,-11.1 30.2,-10.5
  rectangle net U: 8.2,-11.7 10.8,-8.7
  region net +27V: 36.948,-36 41.75,-36 44.15,-36 44.15,-37.1 44.15,-37.95 36.948,-37.95
  region net +27V: 27.223,-36 22.75,-36 20.35,-36 20.35,-37.1 20.35,-37.95 27.223,-37.95
  region net +27V: 7.302,-36 2.5,-36 0.1,-36 0.1,-37.1 0.1,-37.95 7.302,-37.95
  region net PGND: 32.8,-38.85 32.8,-38 34.9,-38 34.9,-38.85 34.9,-40.9 -1.6,-40.9 -1.6,-38.85 9.3,-38.85 9.3,-38.1 11.51,-38.1 11.51,-38.85 29.3,-38.85 29.3,-38.1 31.5,-38.1 31.5,-38.85
Bottom Layer:
  rectangle net NetR34_2: 46.1,-30.962 47.4,-20.212
  rectangle net W: 49.3,-31.212 53.3,-26.962
  rectangle net V: 27.3,-31.212 31.3,-26.962
  rectangle net U: 7.55,-31.212 11.55,-26.962
  rectangle net U: -7.3,-48.365 -0.6,-37.758
  rectangle net V: 12.45,-45.7 19.15,-37.758
  rectangle net NetR36_2: 34.1,-30.962 35.4,-20.212
  rectangle net NetR13_2: 24.1,-30.962 25.4,-20.212
  rectangle net NetR20_2: 12.85,-30.962 14.15,-20.212
  rectangle net NetR5_2: 4.35,-30.962 5.65,-20.212
  rectangle net NetR8_2: -6.9,-30.962 -5.6,-20.212
  region net W: 33.7,-39.5 40.4,-39.5 40.4,-42.6 46.7,-42.6 46.7,-44.771 33.7,-44.771
  region net PGND_: 44.3,-28.2 38.5,-28.2 38.5,-31.212 44.3,-31.212
  region net PGND_: 23.05,-28.2 17.2,-28.2 17.2,-31.212 23.05,-31.212
  region net PGND_: 3.3,-28.2 -2.5,-28.2 -2.5,-31.212 3.3,-31.212
  pour cut-out: 20.55,-56 17.75,-56 17.75,-59.5 20.55,-59.5

## Silkscreen, mask and mechanical layers (free items; w line width, h text height)
Top Overlay:
  lines w0.15: -18.29,-41.3 -16.79,-41.3 ; -18.29,-40.05 -16.79,-40.05 -17.54,-41.3 -18.29,-40.05
  text "AGND" at 9,-2.2 h1.5
  text "GND" at 28.5,-2.2 h1.5
  text "27V" at -12.3,-41.6 h1.5 r90
  text "W" at 48.1,-44.16 h2
  text "PGND" at -10.5,-45.1 h1.5
  text "V" at 48.1,-46.86 h2
  text "U" at 48.098,-49.36 h2
  text "435131.005" at -0.2,-57.6 h2.5
Bottom Overlay:
  text "W" at 34.1,-44.2 h2
  text "V" at 34,-46.9 h2
  text "MOTOR" at 52.2,-48 h1.5
  text "U" at 34,-49.4 h2
  text "POWER" at -0.4,-50.8 h1.5
  text "Э253428" at 37.5,-58.1 h2.5
Top Assy:
  lines w0.2: 44.924,-48.8 46.463,-48.8 ; 45.6,-49.678 45.6,-48.061 ; 54,-39.75 -7.5,-39.75 -7.5,-31.75 54,-31.75

## Dimensions
-19,-33.5 to 54,-50.5 on Size
-9,7 to -9,-64.5 on Size

## Text inside footprints (layer, text, board x,y; h text height)
C11: Bottom Overlay "+" at -17.571,-35.1 h2
C12: Bottom Overlay "+" at -17.35,-44.698 h2
XP1: Bottom Overlay "5" at 8.1,-51.8 h1.5; Bottom Overlay "1" at 8.1,-47.7 h1.5
XT1: Bottom Assy "1" at 45.55,-50.5 h1.5 r270